# KiCad board Sofle_Chico_Panel.kicad_pcb (continued)
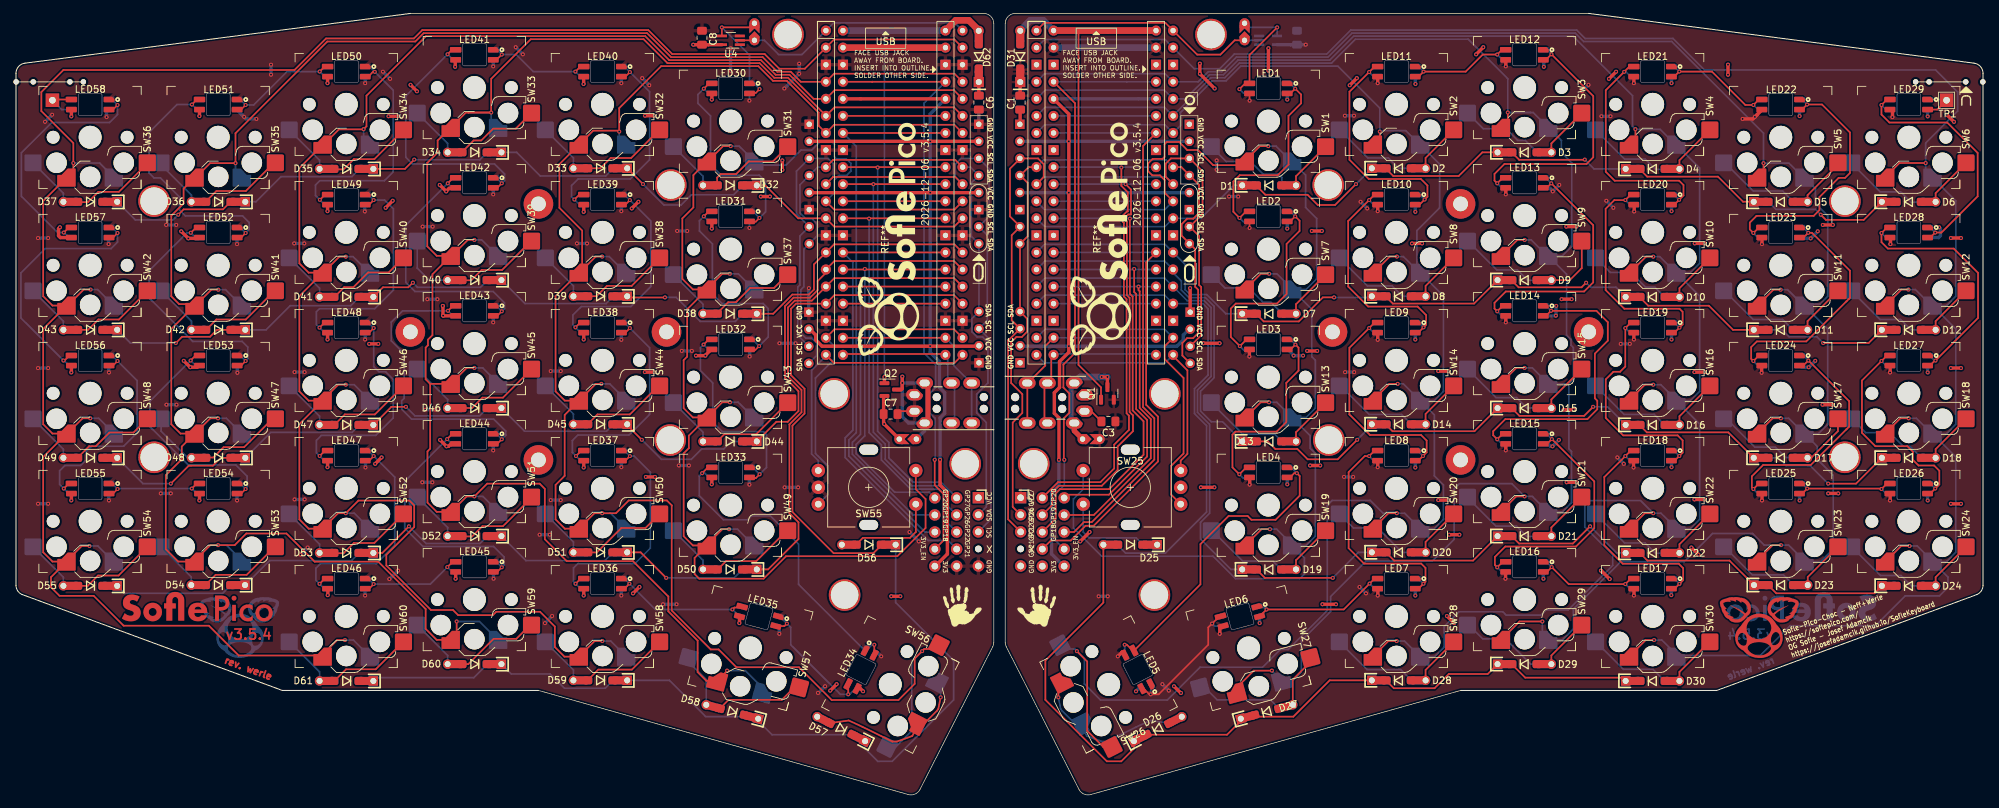
[diagram p0: board, top side]
## Routing (per net, layer and track width the routed paths; a pad name or vN(x,y) marks a point on that pad's centre or on a via; arc(x,y) is an arc through that point) (continued)
ENCA: length 98.3
  Top w0.25: U1.19 170.84,66.73 170.84,64.8 173.64,62 173.64,50.76 171.79,48.91 171.79,44.65 173.22,43.22 ; U3.19 139.51,69.24 121.72,69.24 U3.19
  Bottom w0.25: U3.19 121.7,66.73 121.7,64.8 118.9,62 118.9,50.76 120.75,48.91 120.75,44.65 SW55.A ; U1.19 170.83,69.24 153.04,69.24 U1.19
ENCB: length 79.6
  Top w0.25: U3.20 139.58,64.25 121.64,64.25 U3.20 ; U1.20 172.09,65.26 174.22,63.13 174.22,50.69 173.22,49.69 173.22,48.22
  Bottom w0.25: U1.20 152.96,64.25 170.9,64.25 U1.20 ; SW55.B 119.32,49.69 118.32,50.69 118.32,63.13 120.45,65.26 U3.20
ENCB_SW: length 13.8
  Top w0.25: SW55.S2 133.82,39.07 132.96,38.21 125.95,38.21 D56.2
GP19: length 114.6
  Top w0.25: U3.25 U3.25 ; 159.12,41.61 158.95,41.61 ; 158.95,41.61 155.96,41.61 ; 158.95,41.61 160.31,41.61 168.77,50.07 168.77,55.88 167.12,57.53 167.12,74.9 166.95,75.07 v1(166.95,75.6)
  Bottom w0.25: 136.58,41.61 133.42,41.61 124.39,50.64 124.39,52.42 125.6,53.62 v1(125.6,75.6) ; U1.25 U1.25
GP20: length 115.4
  Top w0.25: v1(166.29,78.22) 166.3,78.21 166.3,74.79 166.6,74.5 166.6,57.37 168.22,55.75 168.22,50.31 162.54,44.62 156.36,44.62 156.28,44.55 ; U3.26 U3.26
  Bottom w0.25: 136.26,44.55 135.81,45 130.67,45 124.95,50.72 124.95,52.1 126.24,53.39 126.24,78.21 v1(126.25,78.22) ; U1.26 U1.26
GP21: length 139.4
  Top w0.25: J5.4 153.92,37.81 156.88,37.81 159.06,40 160.27,40 169.85,49.57 169.85,56.25 168.08,58.01 168.08,79.21 U1.27 ; U3.27 U3.27
  Bottom w0.25: U3.27 124.46,79.21 124.46,54.23 123.31,53.09 123.31,50.16 135.66,37.81 138.62,37.81 J12.4 ; U1.27 U1.27
GP22: length 143
  Top w0.25: U3.29 U3.29 ; J5.3 154.62,41.05 154.62,44.81 155.25,45.45 162.57,45.45 167.7,50.57 167.7,55.55 166.07,57.17 166.07,74.1 165.67,74.5 v1(165.67,85.7)
  Bottom w0.25: U1.29 U1.29 ; J12.3 137.92,41.05 137.92,44.81 137.29,45.45 133.05,45.45 128.7,49.8 128.7,52.05 126.88,53.87 v1(126.88,85.7)
GP26: length 147.2
  Top w0.25: v1(165.03,90.84) 165.82,90.05 165.82,86.33 165.41,86.33 165.04,85.96 165.04,85.45 165.22,85.27 165.22,74.31 165.62,73.91 165.62,56.93 166.12,56.43 166.12,54.08 163.85,51.8 163.85,48.32 161.48,45.95 155.07,45.95 154.11,44.99 154.11,43.08 J5.2 ; U3.31 U3.31
  Bottom w0.25: v1(127.51,90.84) 127.51,53.93 129.27,52.17 129.27,49.9 133.22,45.95 137.47,45.95 138.43,44.99 138.43,43.08 J12.2 ; U1.31 U1.31
GP27: length 146.3
  Top w0.25: U3.32 U3.32 ; v1(164.4,93.32) 164.4,90.59 165.35,89.64 165.35,86.78 165.22,86.78 164.59,86.15 164.59,85.26 164.77,85.08 164.77,74.13 165.17,73.72 165.17,56.75 165.52,56.4 165.52,54.27 163.32,52.07 163.32,48.53 161.28,46.49 154.97,46.49 152.64,44.16
  Bottom w0.25: v1(128.15,93.32) 128.15,54.06 129.82,52.38 129.82,50.1 133.43,46.49 137.57,46.49 139.9,44.16 ; U1.32 U1.32
GP28: length 165.3
  Top w0.25: J6.3 157.36,39.07 158.83,40.55 160,40.55 169.3,49.85 169.3,56 167.62,57.67 167.62,96.53 U1.34 ; U3.34 U3.34
  Bottom w0.25: U1.34 U1.34 ; J11.3 135.18,39.07 123.86,50.39 123.86,52.76 124.97,53.87 124.97,96.48 U3.34
LED: length 72.4
  Top w0.25: JP4.1 109.82,112.25 107.91,112.25 ; JP2.1 181.24,112.25 179.12,110.12 175.67,110.12 U1.1 170.94,114.85 152.92,114.85 U1.1
  Bottom w0.25: 184.64,112.25 182.72,112.25 JP2.1 ; JP4.1 111.3,112.25 113.42,110.12 116.88,110.12 U3.1 121.6,114.85 139.62,114.85 U3.1
row0: length 262.4
  Top w0.25: 258.43,88.23 256.85,88.23 253.12,91.96 242.6,91.96 D4.1 ; D32.1 111.44,90.66 116.34,85.76 U3.12 121.68,84.53 139.55,84.53 U3.12 ; D1.1 185.82,89.26 192.08,89.26 193.61,87.74 196.18,87.74 v1(199.29,90.85) ; D35.1 57.84,93.11 v1(59.22,94.49) ; D3.1 223.55,94.47 233.3,94.47 v1(233.32,94.49) ; D3.1 218.08,95.58 214.57,92.06 204.83,92.06 D2.1 ; v1(24.13,86.29) 24.93,87.09 30.78,87.09 31.9,88.21 D36.1 ; v1(93.25,90.85) D33.1 ; v1(268.41,86.29) 269.19,85.52 274.8,85.52 277.49,88.21
  Bottom w0.25: v1(233.32,94.49) 234.7,93.11 D4.1 ; D32.1 106.73,89.26 100.46,89.26 98.94,87.74 96.36,87.74 v1(93.25,90.85) ; 15.05,88.21 17.74,85.52 23.36,85.52 v1(24.13,86.29) ; D34.1 74.46,95.58 77.97,92.06 87.71,92.06 D33.1 ; v1(199.29,90.85) D2.1 ; v1(268.41,86.29) 267.62,87.09 261.76,87.09 260.64,88.21 D5.1 ; D35.1 49.95,91.96 39.42,91.96 35.69,88.23 34.12,88.23 ; U1.12 153,84.53 170.87,84.53 U1.12 176.2,85.76 181.11,90.66 D1.1 ; v1(59.22,94.49) 59.24,94.47 68.99,94.47 D34.1
row1: length 262.8
  Top w0.25: v1(96.51,73.99) 96.5,73.97 91.08,73.97 ; D9.1 216.86,73.07 204.77,73.07 D8.1 ; D38.1 112.61,71.56 115.46,74.41 117.92,74.41 118.67,75.16 118.67,78.9 U3.14 121.66,81.88 139.57,81.88 U3.14 ; v1(59.02,76.17) 58.34,75.49 54.58,75.49 D41.1 ; D10.1 242.76,72.75 251.77,72.75 255.36,69.16 D11.1 ; v1(23.77,67.2) 24.7,68.13 28.85,68.13 29.88,69.16 D42.1 ; v1(233.52,76.17) 232.84,75.49 223.47,75.49 D9.1 ; v1(196.03,73.99) 194.37,73.99 190.79,70.41 185.57,70.41 D7.1 ; D12.1 275.54,67.2 v1(268.77,67.2)
  Bottom w0.25: D7.1 179.93,71.56 177.08,74.41 174.62,74.41 173.87,75.16 173.87,78.9 U1.14 170.89,81.88 152.98,81.88 U1.14 ; D10.1 237.97,75.49 234.2,75.49 v1(233.52,76.17) ; v1(196.03,73.99) 196.05,73.97 201.47,73.97 ; v1(59.02,76.17) 59.7,75.49 69.08,75.49 D40.1 ; D11.1 262.66,69.16 263.69,68.13 267.84,68.13 v1(268.77,67.2) ; D42.1 37.18,69.16 40.77,72.75 49.79,72.75 D41.1 ; D39.1 87.77,73.07 75.69,73.07 D40.1 ; D38.1 106.98,70.41 101.75,70.41 98.17,73.99 v1(96.51,73.99) ; v1(23.77,67.2) 17.01,67.2 D43.1
row2: length 303.6
  Top w0.25: v1(23.02,46.27) 25.69,48.94 29.28,48.94 30.45,50.11 D48.1 ; v1(269.52,46.27) 273.66,46.27 D18.1 ; 110.67,53.05 113.1,55.48 114.78,55.48 116.37,57.08 116.37,60.02 114.36,62.03 114.36,72.67 115.65,73.96 118.11,73.96 119.22,75.07 119.22,76.42 120.45,77.65 U3.15 121.72,79.4 139.51,79.4 U3.15 ; D15.1 223.59,56.37 233.22,56.37 v1(234.55,57.7) ; v1(199.47,52.8) 196.56,49.89 192.11,49.89 190.57,51.43 187.29,51.43 186.16,52.56 D13.1 ; 53.15,55.01 55.83,57.7 v1(57.99,57.7) ; D15.1 216.91,54.07 204.72,54.07 D14.1 ; D16.1 242.56,53.9 254.66,53.9 D17.1 ; v1(93.07,52.8) 90.9,54.97
  Bottom w0.25: v1(234.55,57.7) 236.71,57.7 239.4,55.01 ; v1(269.52,46.27) 266.85,48.94 263.26,48.94 262.09,50.11 D17.1 ; U1.15 153.04,79.4 170.83,79.4 U1.15 172.09,77.65 173.32,76.42 173.32,75.07 174.43,73.96 176.9,73.96 178.18,72.67 178.18,62.03 176.17,60.02 176.17,57.08 177.77,55.48 179.45,55.48 181.88,53.05 ; v1(93.07,52.8) 95.98,49.89 100.43,49.89 101.97,51.43 105.25,51.43 106.38,52.56 D44.1 ; v1(23.02,46.27) 18.89,46.27 D49.1 ; D45.1 87.82,54.07 75.64,54.07 D46.1 ; D47.1 49.99,53.9 37.89,53.9 D48.1 ; v1(57.99,57.7) 59.32,56.37 68.95,56.37 D46.1 ; v1(199.47,52.8) 201.64,54.97
row3: length 335.6
  Top w0.25: v1(234.1,39.92) 231.54,37.36 223.55,37.36 D21.1 ; D51.1 92.9,36.05 v1(96.7,32.25) ; D19.1 185.73,32.25 v1(195.84,32.25) ; D23.1 261.8,29.95 276.39,29.95 D24.1 ; U3.16 139.52,76.85 121.7,76.85 U3.16 118.36,73.51 115.83,73.51 114.81,72.48 114.81,62.22 116.82,60.21 116.82,56.89 115.02,55.09 115.02,41.87 116.37,40.52 116.37,38.03 111.86,33.51 D50.1 ; D53.1 54.48,35.96 v1(58.44,39.92) ; D22.1 242.64,34.82 254.84,34.82 D23.1 ; D20.1 204.97,34.82 216.71,34.82 D21.1
  Bottom w0.25: D54.1 37.71,34.82 49.91,34.82 D53.1 ; v1(96.7,32.25) 106.81,32.25 D50.1 ; D52.1 69,37.36 61,37.36 v1(58.44,39.92) ; D19.1 180.69,33.51 176.17,38.03 176.17,40.52 177.52,41.87 177.52,55.09 175.72,56.89 175.72,60.21 177.73,62.22 177.73,72.48 176.71,73.51 174.18,73.51 U1.16 170.84,76.85 153.02,76.85 U1.16 ; D22.1 238.06,35.96 v1(234.1,39.92) ; D51.1 87.57,34.82 75.84,34.82 D52.1 ; v1(195.84,32.25) 199.65,36.05 D20.1 ; D54.1 30.74,29.95 16.16,29.95 D55.1
row4: length 395.4
  Top w0.25: 184.42,11.6 189.97,11.6 195.37,17 D28.1 ; D26.1 166.26,6.82 164.38,4.95 162.24,4.95 153.1,14.09 153.1,19.95 161.72,28.57 161.72,37.18 ; 238.91,17.4 224.46,17.4 D29.1 ; 182.16,10.96 180.11,8.91 D26.1 ; D56.1 127.51,35.92 121.61,35.92 115.47,42.05 115.47,54.9 117.27,56.7 117.27,60.39 115.26,62.41 115.26,72.3 116.02,73.06 U3.17 121.72,74.32 139.51,74.32 U3.17 ; D29.1 218.88,17.95 213.09,17.95 210.97,15.82 204.92,15.82 D28.1
  Bottom w0.25: D60.1 73.66,17.95 79.45,17.95 81.57,15.82 87.62,15.82 D59.1 ; 110.38,10.96 112.44,8.91 D57.1 ; 108.12,11.6 102.57,11.6 97.17,17 D59.1 ; D25.1 166.59,38.21 159.58,38.21 158.72,39.07 158.72,43.22 ; D60.1 68.08,17.4 53.63,17.4 ; 163.77,37.18 165.03,35.92 170.94,35.92 177.07,42.05 177.07,54.9 175.27,56.7 175.27,60.39 177.28,62.41 177.28,72.3 176.53,73.06 U1.17 170.83,74.32 153.04,74.32 U1.17 ; D57.1 126.29,6.82 128.17,4.95 130.3,4.95 139.45,14.09 139.45,19.95 130.82,28.57 D56.1
RX: length 59
  Top w0.25: 150.41,61.25 150.41,55.3 ; U1.22 153.08,66.74 153.08,63.84 150.48,61.25 ; U3.22 U3.22
  Bottom w0.25: U1.22 U1.22 ; J13.4 J13.4 ; U3.22 139.47,66.74 139.47,63.84 142.06,61.25
SCL: length 252.4
  Top w0.25: U1.10 170.99,91.93 170.99,93.9 171.77,94.67 174.57,94.67 176.47,92.77 176.47,86.41 174.57,84.51 175.96,83.12 175.96,75.84 176.27,75.52 176.27,68.35 J4.2 ; J1.3 147.55,40.96 147.55,67.55 149.33,69.33 148.09,70.57 148.09,83.24 149.36,84.51 147.83,86.04 147.83,93.14 149.36,94.67 152,94.67 152.85,93.82 152.85,91.91 U1.10 ; U3.10 139.7,91.91 121.53,91.91 U3.10
  Bottom w0.25: U1.10 171.02,91.91 152.85,91.91 U1.10 ; U3.10 139.7,91.91 139.7,93.82 140.55,94.67 J8.2 144.71,93.14 144.71,86.04 J8.2 144.45,83.24 144.45,70.57 J10.2 145,67.55 145,40.96 J14.3 ; U3.10 121.55,91.93 121.55,93.9 120.77,94.67 J8.2 116.07,92.77 116.07,86.41 J8.2 116.59,83.12 116.59,75.84 116.27,75.52 116.27,68.35 J9.2
SDA: length 230.6
  Top w0.25: U3.9 121.53,94.45 139.7,94.45 U3.9 ; 149.33,81.94 149.33,71.87 150.38,70.82 150.38,68.88 149.59,68.1 148.78,68.1 148,67.31 148,61.25 149.66,59.59 149.66,56.79 148.24,55.36 148.24,42.81 J1.2 ; J4.1 173.47,65.33 173.47,67.22 174.17,67.92 175.07,67.92 175.82,68.67 175.82,75.12 175.37,75.57 175.37,81.17 173.37,83.17 173.37,84.9 174.17,85.7 175.09,85.7 175.94,86.55 175.94,90.75 173.32,93.38 U1.9 ; 149.36,81.97 150.46,83.07 150.46,91.03 149.36,92.13 150.6,93.38 U1.9
  Bottom w0.25: U3.9 141.94,93.38 J8.1 142.08,91.03 142.08,83.07 J8.1 ; J14.2 144.31,42.81 144.31,55.36 142.88,56.79 142.88,59.59 144.55,61.25 144.55,67.31 143.76,68.1 142.95,68.1 142.17,68.88 142.17,70.82 143.22,71.87 143.22,81.94 ; J9.1 119.07,65.33 119.07,67.22 118.37,67.92 117.47,67.92 116.72,68.67 116.72,75.12 117.17,75.57 117.17,81.17 J8.1 119.17,83.17 119.17,84.9 118.37,85.7 117.45,85.7 116.6,86.55 116.6,90.75 J8.1 119.22,93.38 U3.9 ; U1.9 171.02,94.45 152.85,94.45 U1.9
TX: length 46.6
  Top w0.25: 123.13,65.57 138.1,65.57 ; 152.96,60.8 152.96,55.75 ; 153.97,65.09 153.97,61.81
  Bottom w0.25: 139.58,60.8 139.58,55.75 ; 169.42,65.57 154.45,65.57 ; 138.57,65.09 138.57,61.81
VDC: length 210.7
  Top w0.25: v1(123.77,14.92) 123.77,16.45 123.94,16.61 ; 112.93,25.07 114.27,25.07 v1(114.65,25.45) ; v1(183.47,103.27) 183.45,103.29 LED1.3 ; 167.52,15.96 168.56,14.92 v1(168.77,14.92) 169.95,14.92 177.32,22.29 177.32,24.87 v1(177.89,25.45) 178.91,26.46 ; v1(183.47,84.32) 183.45,84.34 LED2.3
  Top w0.5: v1(256.79,100.55) 258.32,100.55 258.99,101.22 ; v1(63.47,72.72) 63.52,72.72 63.49,72.69 63.49,71.3 v1(63.52,71.27) 63.55,71.24 LED43.3 ; v1(8.22,100.92) 8.24,100.94 8.24,101.89 ; v1(56.75,100.95) v1(55.4,100.95) ; v1(6.52,84.42) 6.32,84.22 6.32,83.16 6.59,82.89 LED57.3 ; v1(259.62,62.77) 259.62,63.73 ; v1(53.42,49.21) v1(54.37,50.17) ; v1(92.57,88.22) v1(91.57,87.22) ; v1(84.42,67.72) 84.44,67.74 84.44,68.69 ; v1(130.17,29.51) v1(131.53,29.51) ; v1(8.22,62.82) 8.24,62.84 8.24,63.79 ; v1(46.32,48.72) 46.34,48.74 LED47.3 ; v1(279.07,100.82) 279.08,100.84 279.08,101.79 ; Q2.2 129.03,59.2 C7.1 129.03,55.23 v1(129.12,55.14) JP3.2 ; v1(113.97,94.37) v1(113.97,92.97) 114.02,92.97 ; LED31.3 103.49,84.24 v1(103.47,84.22) ; LED44.3 64.69,52.19 64.32,51.82 v1(64.02,51.82) v1(63.07,52.77) ; v1(27.27,100.97) 27.29,100.99 LED51.3 ; 278.78,82.89 278.78,81.94 v1(278.77,81.92) ; 183.48,47.09 183.48,46.14 v1(183.47,46.12) ; v1(53.88,67.07) v1(52.52,67.07) ; v1(112.13,89) v1(110.77,89) ; 258.99,101.22 259.63,101.86 259.63,101.89 ; 258.99,101.22 v1(258.62,100.85) ; v1(202.52,67.67) 202.52,68.63 ; v1(121.09,15.46) v1(122.05,16.42) ; v1(101.12,65.32) v1(102.52,65.32) 102.52,65.37 103.39,66.24 LED32.3 ; v1(259.67,81.92) 259.67,82.88 ; 65.39,33.09 65.39,32.14 v1(65.37,32.12) ; v1(202.52,48.72) 202.52,49.68 ; LED49.3 46.34,86.84 v1(46.32,86.82) ; LED50.3 46.34,105.89 v1(46.32,105.87) ; U4.5 102.98,111.6 102.98,111.6 C8.1 v1(100.72,111.6) ; 103.49,47.14 103.49,46.19 v1(103.47,46.17) ; v1(221.57,89.32) 221.57,90.28 ; 84.44,87.69 84.44,86.74 v1(84.42,86.72) ; v1(240.57,48.67) 240.57,49.63 ; v1(84.41,105.75) 84.42,105.77 84.42,106.72 ; v1(202.52,105.87) 202.52,106.83 ; 221.53,33.09 221.53,32.14 v1(221.52,32.12) ; v1(240.62,29.62) 240.63,29.64 240.63,30.59 ; LED35.3 107.6,25.55 v1(107.57,25.52) ; 46.34,68.69 46.34,67.74 v1(46.32,67.72) ; v1(8.22,43.77) 8.24,43.79 8.24,44.74 ; v1(202.52,29.62) 202.53,29.64 202.53,30.59 ; v1(84.42,29.62) 84.44,29.64 84.44,30.59 ; v1(103.47,103.42) 103.49,103.44 LED30.3 ; v1(240.62,105.87) 240.62,106.83 ; LED52.3 27.17,82.77 v1(25.62,82.77) v1(24.57,83.82) ; v1(27.27,43.77) 27.29,43.79 27.29,44.74 ; v1(259.67,43.77) 259.68,43.79 259.68,44.74 ; C1.1 149.34,106.02 ; v1(24.95,64.55) 25.9,63.6 v1(25.92,63.6) 26.94,63.6 27.09,63.75 ; v1(202.52,86.82) 202.52,87.78 ; 65.32,109.27 65.32,108.32 v1(65.31,108.3) ; v1(278.72,62.82) 278.73,62.84 278.73,63.79 ; v1(278.72,43.77) 278.73,43.79 278.73,44.74 ; v1(240.67,86.77) 240.67,87.73 ; v1(125.97,15.37) 125.58,15.77 LED34.3 ; v1(179.02,23.92) 179.03,23.94 179.03,24.99 ; v1(240.62,67.72) 240.62,68.68 ; v1(183.43,65.19) 183.43,66.14 ; C6.1 143.2,106.02 ; LED42.3 65.32,90.22 64.42,90.22 63.98,89.78 v1(63.98,89.76) v1(63.02,90.72) ; 164.84,21.21 164.5,21.21 v1(163.87,20.57) ; v1(91.77,29.94) v1(92.72,30.9) ; v1(94.9,101.02) v1(93.55,101.02) ; v1(221.57,51.22) 221.57,52.18 ; v1(46.36,29.68) 46.37,29.69 46.37,30.65 ; v1(94.88,62.87) v1(93.52,62.87) ; v1(59.63,104.66) v1(58.67,105.62) ; v1(221.57,70.27) 221.57,71.23 ; v1(54.97,87.32) v1(56.02,88.37) ; v1(95.03,47.27) v1(93.67,47.27) ; v1(221.57,108.37) 221.57,109.33 ; v1(84.42,48.67) 84.44,48.69 84.44,49.64
  Top w1: U3.39 U3.39
  Bottom w0.25: 179.61,25.07 178.27,25.07 v1(177.89,25.45) ; 168.61,16.61 168.77,16.45 v1(168.77,14.92) ; 113.64,26.46 v1(114.65,25.45) 115.23,24.87 115.23,22.29 122.59,14.92 v1(123.77,14.92) 123.98,14.92 125.02,15.96
  Bottom w0.5: v1(197.51,47.27) v1(198.87,47.27) ; v1(171.45,15.46) v1(170.49,16.42) ; v1(197.64,101.02) v1(199,101.02) ; 178.52,92.97 v1(178.57,92.97) v1(178.57,94.37) ; v1(197.66,62.87) v1(199.02,62.87) ; v1(162.37,29.51) v1(161.02,29.51) ; v1(238.66,67.07) v1(240.02,67.07) ; v1(199.97,88.22) v1(200.97,87.22) ; v1(232.91,104.66) v1(233.87,105.62) ; v1(200.78,29.94) v1(199.82,30.9) ; v1(191.82,111.6) C4.1 189.57,111.6 189.57,111.6 U2.5 ; v1(180.42,89) v1(181.77,89) ; v1(239.13,49.21) v1(238.17,50.17) ; v1(237.57,87.32) v1(236.52,88.37) ; C2.1 149.34,106.02 ; C5.1 143.2,106.02 ; v1(235.79,100.95) v1(237.14,100.95)
  Bottom w1: U1.39 U1.39
  vias: v1(228.56,89.76) v1(229.52,90.72)
Net-(D1-A): length 21.1
  Top w0.25: D1.2 190.37,92.02 SW1.2
  Bottom w0.25: SW1.2 179.97,94.22 183.57,94.22 185.45,92.34 187.74,92.34 188.27,91.81 D1.2
Net-(D2-A): length 21.3
  Top w0.25: SW2.2 209.64,94.74 D2.2
  Bottom w0.25: 208.22,93.2 205.64,93.2 204.11,94.73 201.06,94.73 196.78,99.01
Net-(D3-A): length 21.6
  Top w0.25: D3.2 228.35,96.9 SW3.2
  Bottom w0.25: 227.41,95.54 226.29,95.54 224.48,97.34 223.35,97.34 221.59,99.1 218.22,99.1 215.97,101.35
Net-(D4-A): length 21.5
  Top w0.25: SW4.2 247.4,94.4 D4.2
  Bottom w0.25: 246.41,93.04 243.83,93.04 242.29,94.57 239.24,94.57 234.97,98.85
Net-(D5-A): length 21.2
  Top w0.25: 270.97,93.72 266.45,89.2 D5.2
  Bottom w0.25: 265.46,88.21 D5.2 262.74,89.82 258.37,89.82 254.09,94.1
Net-(D6-A): length 21.5
  Top w0.25: D6.2 285.5,89.5 SW6.2
  Bottom w0.25: 272.97,93.97 277.24,89.7 280.29,89.7 281.83,88.16 284.41,88.16
Net-(D7-A): length 20.5
  Top w0.25: D7.2 190.37,72.97 SW7.2
  Bottom w0.25: 177.84,77.35 179.8,75.39 183.35,75.39 185.47,73.27 186.62,73.27 188.27,71.62 D7.2
Net-(D8-A): length 21
  Top w0.25: SW8.2 209.64,75.69 D8.2
  Bottom w0.25: 208.78,74.16 206.2,74.16 204.67,75.7 200.99,75.7 197.34,79.34
Net-(D9-A): length 23.1
  Top w0.25: D9.2 231.08,76.56 232.87,78.35 SW9.2
  Bottom w0.25: 215.97,82.35 220.24,78.07 223.29,78.07 224.83,76.54 227.41,76.54
Net-(D10-A): length 20.3
  Top w0.25: SW10.2 247.4,75.35 D10.2
  Bottom w0.25: 234.97,79.85 237.11,77.7 240.16,77.7 242.36,75.51 243.73,75.51 245.18,74.06
Net-(D11-A): length 21.5
  Top w0.25: SW11.2 266.45,70.45 D11.2
  Bottom w0.25: 254.09,74.97 258.37,70.7 262.74,70.7 264.28,69.16 265.53,69.16
Net-(D12-A): length 21.5
  Top w0.25: SW12.2 285.5,70.45 D12.2
  Bottom w0.25: 272.97,74.97 277.24,70.7 280.29,70.7 281.83,69.16 284.41,69.16
Net-(D13-A): length 20.5
  Top w0.25: D13.2 190.37,53.92 SW13.2
  Bottom w0.25: D13.2 187.21,53.62 182.46,53.62 177.77,58.31
Net-(D14-A): length 20.4
  Top w0.25: SW14.2 209.64,56.64 D14.2
  Bottom w0.25: D14.2 206.07,56.57 201.24,56.57 196.97,60.85
Net-(D15-A): length 21.5
  Top w0.25: SW15.2 228.35,58.8 D15.2
  Bottom w0.25: 227.28,57.54 224.7,57.54 223.17,59.07 220.12,59.07 215.84,63.35
Net-(D16-A): length 21.4
  Top w0.25: SW16.2 247.4,56.3 D16.2
  Bottom w0.25: 246.28,55.04 245.17,55.04 243.64,56.57 239.17,56.57 SW16.2
Net-(D17-A): length 21.3
  Top w0.25: 267,50.11 270.97,54.08 SW17.2
  Bottom w0.25: 265.78,50.16 263.2,50.16 261.67,51.7 258.62,51.7 254.34,55.97
Net-(D18-A): length 20.4
  Top w0.25: SW18.2 285.5,51.4 D18.2
  Bottom w0.25: 273.09,55.85 275.07,53.87 278.65,53.87 280.68,51.84 281.67,51.84 D18.2
Net-(D19-A): length 21.4
  Top w0.25: SW19.2 190.37,34.87 D19.2
  Bottom w0.25: 189.41,33.41 188.27,33.41 186.93,34.75 182.44,34.75 177.97,39.22
Net-(D20-A): length 21.5
  Top w0.25: SW20.2 209.64,37.59 D20.2
  Bottom w0.25: SW20.2 198.91,39.68 202.51,39.68 206.15,36.04 208.53,36.04
Net-(D21-A): length 21.5
  Top w0.25: SW21.2 228.35,39.75 D21.2
  Bottom w0.25: 215.84,44.22 220.12,39.95 223.17,39.95 224.7,38.41 227.28,38.41
Net-(D22-A): length 21.5
  Top w0.25: D22.2 247.4,37.25 SW22.2
  Bottom w0.25: 234.97,41.72 239.24,37.45 242.29,37.45 243.83,35.91 246.41,35.91
Net-(D23-A): length 20.4
  Top w0.25: SW23.2 266.48,32.38 D23.2
  Bottom w0.25: 253.97,36.97 258.24,32.7 262.86,32.7 D23.2
Net-(D24-A): length 21.5
  Top w0.25: D24.2 285.5,32.35 SW24.2
  Bottom w0.25: D24.2 281.88,31.06 280.34,32.6 277.29,32.6 SW24.2
Net-(D26-A): length 20.8
  Top w0.25: v1(155.02,14.47) 155.02,16.21
  Bottom w0.25: v1(155.02,14.47) 155.37,12.77 155.59,12.45 157.5,10.54 ; 158.76,9.66 159.24,8.72 161.52,7.89 162.2,7.89 162.2,7.89 166.65,10.07 168.69,11.02 D26.2
Net-(D27-A): length 19.8
  Top w0.25: 189.89,13.35 189.89,17.11 192.51,19.74
  Bottom w0.25: 187.86,12.81 186.57,14.1 178.64,14.1 176.79,15.95
Net-(D28-A): length 20.5
  Top w0.25: SW28.2 209.64,18.54 D28.2
  Bottom w0.25: D28.2 205.95,18.6 200.94,18.6 SW28.2
Net-(D29-A): length 21.5
  Top w0.25: SW29.2 228.35,20.7 D29.2
  Bottom w0.25: 227.53,19.41 225.28,19.41 221.51,23.18 218.14,23.18 216.09,25.22
Net-(D30-A): length 21.6
  Top w0.25: D30.2 247.4,18.25 251.87,22.72 SW30.2
  Bottom w0.25: 246.41,16.91 245.19,16.91 243.46,18.64 239.05,18.64 234.97,22.72
Net-(D32-A): length 21.1
  Top w0.25: SW31.2 112.57,94.22 108.97,94.22 107.09,92.34 104.8,92.34 104.27,91.81 D32.2
  Bottom w0.25: D32.2 102.17,92.02 SW31.2
Net-(D33-A): length 21.3
  Top w0.25: 84.32,93.2 86.9,93.2 88.44,94.73 91.49,94.73 95.76,99.01
  Bottom w0.25: D33.2 82.9,94.74 SW32.2
Net-(D34-A): length 21.6
  Top w0.25: 65.14,95.54 66.26,95.54 68.06,97.34 69.19,97.34 70.95,99.1 74.32,99.1 76.57,101.35
  Bottom w0.25: D34.2 64.2,96.9 SW33.2
Net-(D35-A): length 21.5
  Top w0.25: 46.14,93.04 48.71,93.04 50.25,94.57 53.3,94.57 57.57,98.85
  Bottom w0.25: D35.2 45.15,94.4 SW34.2
Net-(D36-A): length 21.2
  Top w0.25: 38.45,94.1 34.17,89.82 29.81,89.82 D36.2 27.09,88.21
  Bottom w0.25: 21.57,93.72 26.1,89.2 D36.2
Net-(D37-A): length 21.5
  Top w0.25: 19.57,93.97 15.3,89.7 12.25,89.7 10.71,88.16 8.14,88.16
  Bottom w0.25: D37.2 7.05,89.5 SW36.2
Net-(D38-A): length 20.5
  Top w0.25: D38.2 104.27,71.62 105.92,73.27 107.07,73.27 109.19,75.39 112.74,75.39 114.7,77.35
  Bottom w0.25: SW37.2 102.17,72.97 D38.2
Net-(D39-A): length 21
  Top w0.25: 83.76,74.16 86.34,74.16 87.87,75.7 91.55,75.7 95.2,79.34
  Bottom w0.25: D39.2 82.9,75.69 SW38.2
Net-(D40-A): length 23.1
  Top w0.25: 65.14,76.54 67.71,76.54 69.25,78.07 72.3,78.07 76.57,82.35
  Bottom w0.25: D40.2 61.46,76.56 59.67,78.35 SW39.2
Net-(D41-A): length 20.3
  Top w0.25: 57.57,79.85 55.43,77.7 52.38,77.7 50.19,75.51 48.81,75.51 47.36,74.06
  Bottom w0.25: D41.2 45.15,75.35 SW40.2
Net-(D42-A): length 21.5
  Top w0.25: 38.45,74.97 34.17,70.7 29.8,70.7 28.26,69.16 27.01,69.16
  Bottom w0.25: D42.2 26.1,70.45 SW41.2
Net-(D43-A): length 21.5
  Top w0.25: 19.57,74.97 15.3,70.7 12.25,70.7 10.71,69.16 8.14,69.16
  Bottom w0.25: SW42.2 7.05,70.45 D43.2
Net-(D44-A): length 20.5
  Top w0.25: 114.77,58.31 110.08,53.62 105.34,53.62 D44.2
  Bottom w0.25: SW43.2 102.17,53.92 D44.2
Net-(D45-A): length 20.4
  Top w0.25: 95.57,60.85 91.3,56.57 86.47,56.57 D45.2
  Bottom w0.25: SW44.2 82.9,56.64 D45.2
Net-(D46-A): length 21.5
  Top w0.25: 76.7,63.35 72.42,59.07 69.37,59.07 67.84,57.54 65.26,57.54
  Bottom w0.25: SW45.2 64.2,58.8 D46.2
Net-(D47-A): length 21.4
  Top w0.25: 46.26,55.04 47.37,55.04 48.9,56.57 53.37,56.57 SW46.2
  Bottom w0.25: SW46.2 45.15,56.3 D47.2
Net-(D48-A): length 21.3
  Top w0.25: 38.2,55.97 33.92,51.7 30.87,51.7 29.34,50.16 26.76,50.16
  Bottom w0.25: 25.54,50.11 21.57,54.08 SW47.2
Net-(D49-A): length 20.4
  Top w0.25: D49.2 10.88,51.84 11.86,51.84 13.89,53.87 17.47,53.87 19.45,55.85
  Bottom w0.25: D49.2 7.05,51.4 SW48.2
Net-(D50-A): length 21.4
  Top w0.25: 114.57,39.22 110.1,34.75 105.61,34.75 104.27,33.41 103.14,33.41
  Bottom w0.25: SW49.2 102.17,34.87 D50.2
Net-(D51-A): length 21.5
  Top w0.25: 84.01,36.04 86.39,36.04 90.03,39.68 93.63,39.68 SW50.2
  Bottom w0.25: SW50.2 82.9,37.59 D51.2
Net-(D52-A): length 21.5
  Top w0.25: 65.26,38.41 67.84,38.41 69.37,39.95 72.42,39.95 76.7,44.22
  Bottom w0.25: D52.2 64.2,39.75 SW51.2
Net-(D53-A): length 21.5
  Top w0.25: 57.57,41.72 53.3,37.45 50.25,37.45 48.71,35.91 46.14,35.91
  Bottom w0.25: D53.2 45.15,37.25 SW52.2
Net-(D54-A): length 20.4
  Top w0.25: D54.2 29.68,32.7 34.3,32.7 38.57,36.97
  Bottom w0.25: SW53.2 26.06,32.38 D54.2
Net-(D55-A): length 21.5
  Top w0.25: SW54.2 15.25,32.6 12.2,32.6 10.66,31.06 D55.2
  Bottom w0.25: SW54.2 7.05,32.35 D55.2
Net-(D57-A): length 20.8
  Top w0.25: v1(137.52,14.47) 137.17,12.77 136.95,12.45 135.04,10.54 ; D57.2 123.85,11.02 125.9,10.07 130.34,7.89 130.35,7.89 131.02,7.89 133.3,8.72 133.79,9.66
  Bottom w0.25: v1(137.52,14.47) 137.52,16.21
Net-(D58-A): length 19.8
  Top w0.25: D58.2 105.97,14.1 113.9,14.1 115.75,15.95
  Bottom w0.25: 100.03,19.74 102.66,17.11 D58.2
Net-(D59-A): length 20.5
  Top w0.25: SW58.2 91.6,18.6 86.6,18.6 D59.2
  Bottom w0.25: D59.2 82.9,18.54 SW58.2
Net-(D60-A): length 21.5
  Top w0.25: 65.01,19.41 67.26,19.41 71.03,23.18 74.4,23.18 76.45,25.22
  Bottom w0.25: SW59.2 64.2,20.7 D60.2
Net-(D61-A): length 21.6
  Top w0.25: 57.57,22.72 53.49,18.64 49.08,18.64 47.35,16.91 46.14,16.91
  Bottom w0.25: D61.2 45.15,18.25 40.67,22.72 SW60.2
Net-(JP1-A): length 21.7
  Top w0.5: Q1.3 v1(162.32,62.15) v1(161.47,62.15) ; 157.17,61.02 J2.2
  Top w0.75: JP1.1 157.4,54.13 J2.2
  Bottom w0.5: J2.2 157.4,54.13 ; 157.4,54.13 JP1.1 ; 157.4,54.13 156.87,54.65 ; 156.87,60.72 J2.2
  Bottom w0.75: 156.92,60.77 156.92,55.77 J2.2 ; 156.92,60.77 156.87,60.72 ; 156.92,60.77 J2.2
  Bottom w1: v1(162.32,62.15) 158.3,62.15 J2.2
Net-(JP3-A): length 24.9
  Top w0.5: Q2.3 131.65,60.27 131.8,60.42 131.8,61.24 v1(131.81,61.25) 131.81,62.19 v1(131.82,62.2)
  Top w0.75: J13.2 135.63,60.76 135.63,55.8 J13.2
  Bottom w0.5: JP3.1 135.13,54.13 J13.2 132.74,55.3 131.81,56.23 v1(131.81,61.25) ; v1(131.81,61.25) 131.81,61.25 J13.2 ; v1(131.81,61.25) 131.81,62.19 v1(131.82,62.2)
Net-(LED1-DOUT): length 65.1
  Top w0.25: 182.85,86.7 v1(181.97,85.81) 181.06,86.73 181.06,91.23 182,92.17 187.67,92.17 189.25,93.75 189.25,101 191.12,102.87 191.12,104.18 v1(190.25,105.05) 189.62,104.43 ; v1(102.29,105.05) 103.11,105.87 ; 109,85.26 110.01,85.26 v1(110.57,85.81)
  Bottom w0.25: v1(181.97,85.81) 182.53,85.26 183.54,85.26 ; v1(190.25,105.05) 189.43,105.87 ; 109.69,86.7 v1(110.57,85.81) 111.49,86.73 111.49,91.23 110.54,92.17 104.87,92.17 103.29,93.75 103.29,101 101.42,102.87 101.42,104.18 v1(102.29,105.05) 102.92,104.43
Net-(LED2-DOUT): length 33.1
  Top w0.25: 189.45,85.26 v1(190.25,86.05) 190.9,85.4 190.9,83.88 188.97,81.95 188.97,74.5 187.54,73.07 181.42,73.07 180.67,72.32 180.67,68.09 v1(182.02,66.74) 182.9,67.62
  Bottom w0.25: 183.59,66.18 182.58,66.18 v1(182.02,66.74) ; v1(190.25,86.05) 189.6,86.7
Net-(LED3-DOUT): length 80.2
  Top w0.25: 166.18,21.33 165.22,22.3 v1(164.89,22.3) ; v1(190.5,47.83) 190.11,47.83 189.39,47.11 ; 166.2,21.33 176.16,31.29 176.16,37.27 180.35,41.46 183.17,41.46 183.74,40.89 187.33,40.89 190.92,44.48 190.92,47.41 190.48,47.84 ; 189.5,66.18 v1(190.29,66.97) 190.75,66.5 190.75,63.09 188.92,61.26 188.92,55.44 187.5,54.01 181.37,54.01 180.92,53.56 180.92,48.69 v1(181.95,47.66) 182.83,48.55
  Bottom w0.25: 183.52,47.11 182.5,47.11 v1(181.95,47.66) ; v1(190.29,66.97) 189.63,67.62 ; v1(164.89,22.3) 164.89,20.71 ; v1(190.5,47.83) 189.78,48.55
Net-(LED7-DIN): length 34.6
  Top w0.25: 201.98,51.11 v1(201.24,50.37) 200.59,50.37 198.19,47.97 198.19,36.67 200.49,34.37 208.99,34.37 209.63,33.73 209.63,31.68 v1(209.32,31.38) 208.56,30.62
  Bottom w0.25: v1(209.32,31.38) 208.64,32.06 ; v1(201.24,50.37) 201.95,49.67
Net-(LED8-DIN): length 33.8
  Top w0.25: 208.59,49.71 v1(209.26,50.38) 209.8,50.92 209.8,52.68 208.98,53.5 201.38,53.5 198.31,56.57 198.31,66.49 v1(201.24,69.42) 201.98,70.16
  Bottom w0.25: v1(209.26,50.38) 208.49,51.15 ; v1(201.24,69.42) 201.95,68.72
Net-(LED10-DIN): length 50.8
  Top w0.25: 208.62,106.86 v1(209.35,107.59) 215.61,107.59 218.15,110.13 v1(220.29,110.13) 221.03,110.87 ; 208.71,87.77 v1(209.5,88.55) 209.92,88.97 209.92,90.63 208.94,91.61 201.18,91.61 198.32,94.47 198.32,104.6 v1(201.24,107.52) 201.98,108.26
  Bottom w0.25: 207.88,89.21 208.84,89.21 v1(209.5,88.55) ; v1(201.24,107.52) 201.95,106.82 ; v1(209.35,107.59) 208.64,108.3 ; v1(220.29,110.13) 221,109.43
Net-(LED10-DOUT): length 33.6
  Top w0.25: 201.98,89.21 v1(201.24,88.47) 198.13,85.36 198.13,75.6 201.11,72.62 208.46,72.62 209.72,71.36 209.72,69.91 v1(209.34,69.53) 208.57,68.76
  Bottom w0.25: v1(209.34,69.53) 208.67,70.2 ; v1(201.24,88.47) 201.95,87.77
Net-(LED12-DOUT): length 39.3
  Top w0.25: 221.03,91.71 v1(220.29,90.97) 219.89,91.38 219.89,92.36 221.37,93.84 233.58,93.84 234.58,94.84 234.58,103.95 v1(228.36,110.17) 227.66,109.47
  Bottom w0.25: v1(228.36,110.17) 227.62,110.91 ; v1(220.29,90.97) 221,90.27
Net-(LED13-DOUT): length 38.8
  Top w0.25: 221.03,72.66 v1(220.29,71.92) 219.89,72.33 219.89,73.18 221.57,74.87 233.21,74.87 234.57,76.23 234.57,84.72 v1(228.33,90.96) 227.68,90.31
  Bottom w0.25: v1(220.29,71.92) 221,71.22 ; v1(228.33,90.96) 227.54,91.75
Net-(LED14-DOUT): length 45.4
  Top w0.25: 227.57,71.26 v1(228.3,71.99) 235.05,71.99 236.74,70.3 236.74,67.54 234.82,65.62 234.82,58.97 235.18,58.61 235.18,57.34 233.71,55.87 221.5,55.87 219.7,54.07 219.7,53.47 v1(220.29,52.87) 221.03,53.61
  Bottom w0.25: v1(220.29,52.87) 221,52.17 ; v1(228.3,71.99) 227.59,72.7
Net-(LED15-DOUT): length 38.2
  Top w0.25: 227.73,52.21 v1(228.42,52.9) 228.42,52.89 229.22,52.1 229.22,52.1 234.73,46.6 234.73,39.63 232.01,36.91 221.5,36.91 219.95,35.36 219.95,34.17 v1(220.29,33.82) 221.03,34.56
  Bottom w0.25: v1(220.29,33.82) 221,33.12 ; v1(228.42,52.9) 227.67,53.65
Net-(LED16-DOUT): length 32.1
  Top w0.25: 227.71,33.16 v1(228.4,33.85) 230.93,31.32 v1(239.34,31.32) 240.08,32.06 ; v1(64.14,33.85) 64.89,34.6 ; v1(53.2,31.32) 52.49,30.62
  Bottom w0.25: v1(228.4,33.85) 227.65,34.6 ; 52.46,32.06 v1(53.2,31.32) 61.61,31.32 v1(64.14,33.85) 64.83,33.16 ; v1(239.34,31.32) 240.05,30.62
Net-(LED17-DIN): length 34.3
  Top w0.25: 246.7,30.66 v1(247.4,31.36) 247.95,31.91 247.95,33.69 247.29,34.35 238.96,34.35 236.22,37.09 236.22,47.25 v1(239.34,50.37) 240.08,51.11
  Bottom w0.25: v1(239.34,50.37) 240.05,49.67 ; v1(247.4,31.36) 246.66,32.1
Net-(LED17-DOUT): length 17.2
  Top w0.25: 259.13,103.36 v1(258.39,102.62) 257.2,102.62 252.23,107.59 247.39,107.59 v1(247.37,107.6) 246.63,106.86
  Bottom w0.25: v1(258.39,102.62) 259.1,101.92 ; v1(247.37,107.6) 246.68,108.3
Net-(LED18-DIN): length 34.6
  Top w0.25: 240.08,70.16 v1(239.34,69.42) 239.34,63.7 238.57,62.92 237.57,62.92 236.44,61.79 236.44,56.05 239.04,53.45 247.13,53.45 247.87,52.71 247.87,50.88 v1(247.38,50.39) 246.7,49.71
  Bottom w0.25: v1(239.34,69.42) 240.05,68.72 ; v1(247.38,50.39) 246.62,51.15
Net-(LED19-DIN): length 35
  Top w0.25: 240.08,89.21 v1(239.34,88.47) 237.72,88.47 236.42,87.17 236.42,75.08 239.2,72.3 247.41,72.3 247.87,71.84 247.87,69.96 v1(247.4,69.49) 246.67,68.76
  Bottom w0.25: v1(239.34,88.47) 240.05,87.77 ; v1(247.4,69.49) 246.69,70.2
Net-(LED20-DIN): length 36
  Top w0.25: 240.68,108.26 239.88,108.26 v1(239.18,107.55) 236.44,104.81 236.44,92.68 237.77,91.35 247.36,91.35 248,90.71 248,89.16 v1(247.35,88.51) 246.65,87.81
  Bottom w0.25: v1(239.18,107.55) 239.45,107.55 240.18,106.82 ; v1(247.35,88.51) 246.61,89.25
Net-(LED22-DOUT): length 39.1
  Top w0.25: 259.13,84.31 v1(258.39,83.57) 257.86,84.11 257.86,85.12 258.86,86.12 267.36,86.12 268.22,86.98 268.22,88.92 271.07,91.77 272.02,91.77 272.76,92.51 272.76,98.53 268.6,102.69 v1(266.38,102.69) 265.65,101.96
  Bottom w0.25: v1(258.39,83.57) 259.1,82.87 ; v1(266.38,102.69) 265.67,103.4
Net-(LED23-DOUT): length 36.6
  Top w0.25: 259.13,65.26 v1(258.39,64.52) 258.07,64.85 258.07,66.59 258.91,67.43 266.26,67.43 272.22,73.4 272.24,73.4 272.57,73.73 272.57,73.74 272.76,73.93 272.76,77.96 267.12,83.6 v1(266.55,83.6) 265.86,82.91
  Bottom w0.25: v1(266.55,83.6) 265.8,84.35 ; v1(258.39,64.52) 259.1,63.82
Net-(LED24-DOUT): length 35.9
  Top w0.25: 259.13,46.21 v1(258.39,45.47) 258.17,45.7 258.17,47.37 259.85,49.05 266.93,49.05 272.22,54.35 272.24,54.35 272.63,54.74 272.63,58.55 v1(266.57,64.6) 265.83,63.86
  Bottom w0.25: v1(258.39,45.47) 259.1,44.77 ; v1(266.57,64.6) 265.87,65.3
Net-(LED25-DOUT): length 30.3
  Top w0.25: 265.67,44.81 v1(266.4,45.54) 277.37,45.54 v1(277.44,45.47) 278.18,46.21 ; v1(15.1,45.47) 14.39,44.77 ; v1(26.14,45.54) 26.85,46.25
  Bottom w0.25: v1(266.4,45.54) 265.69,46.25 ; v1(277.44,45.47) 278.15,44.77 ; 26.87,44.81 v1(26.14,45.54) 15.17,45.54 v1(15.1,45.47) 14.36,46.21
Net-(LED26-DIN): length 33.4
  Top w0.25: 284.71,44.81 v1(285.44,45.54) 286.05,46.15 286.05,48.19 285.27,48.97 282.95,48.97 282.12,49.8 282.12,51.02 281.3,51.84 276.54,51.84 274.54,53.84 274.54,61.62 v1(277.44,64.52) 278.18,65.26
  Bottom w0.25: v1(285.44,45.54) 284.73,46.25 ; v1(277.44,64.52) 278.15,63.82
Net-(LED26-DOUT): length 13.8
  Top w0.25: 284.3,101.94 285.74,101.94 TP1.1 ; 8.38,103.44 4.86,103.44
  Bottom w0.25: 5.42,103.33 6.8,101.94 8.24,101.94 ; 284.16,103.44 287.68,103.44
Net-(LED27-DIN): length 37.6
  Top w0.25: 284.66,63.86 285.39,64.59 v1(285.48,64.59) 291.81,70.92 291.81,77.64 288.2,81.25 278.4,81.25 277.44,82.21 v1(277.44,83.57) 278.18,84.31
  Bottom w0.25: v1(285.48,64.59) 285.34,64.59 284.63,65.3 ; v1(277.44,83.57) 278.15,82.87
Net-(LED28-DIN): length 37.2
  Top w0.25: 278.18,103.36 v1(277.44,102.62) 277.44,101.2 278.63,100.01 287.23,100.01 291.75,95.49 291.75,89.03 286.36,83.64 v1(285.44,83.64) 284.71,82.91
  Bottom w0.25: v1(285.44,83.64) 284.73,84.35 ; v1(277.44,102.62) 278.15,101.92
Net-(LED31-DOUT): length 33.1
  Top w0.25: v1(102.29,86.05) 102.94,86.7 ; 108.95,66.18 109.96,66.18 v1(110.52,66.74)
  Bottom w0.25: 109.64,67.62 v1(110.52,66.74) 111.87,68.09 111.87,72.32 111.12,73.07 105,73.07 103.57,74.5 103.57,81.95 101.64,83.88 101.64,85.4 v1(102.29,86.05) 103.09,85.26
Net-(LED32-DOUT): length 32.7
  Top w0.25: 109.02,47.11 110.04,47.11 v1(110.6,47.66) ; v1(102.26,66.97) 102.91,67.62
  Bottom w0.25: 103.05,66.18 v1(102.26,66.97) 101.79,66.5 101.79,63.09 103.62,61.26 103.62,55.44 105.04,54.01 111.17,54.01 111.62,53.56 111.62,48.69 v1(110.6,47.66) 109.71,48.55
Net-(LED33-DOUT): length 47.5
  Top w0.25: v1(102.04,47.83) 102.76,48.55 ; v1(127.65,22.3) 127.65,20.71
  Bottom w0.25: 102.06,47.84 101.62,47.41 101.62,44.48 105.21,40.89 108.8,40.89 109.37,41.46 112.19,41.46 116.39,37.27 116.39,31.29 126.34,21.33 ; 103.16,47.11 102.44,47.83 v1(102.04,47.83) ; 126.36,21.33 127.32,22.3 v1(127.65,22.3)
Net-(LED36-DIN): length 34.6
  Top w0.25: v1(91.3,50.37) 90.59,49.67 ; v1(83.22,31.38) 83.9,32.06
  Bottom w0.25: 83.98,30.62 v1(83.22,31.38) 82.91,31.68 82.91,33.73 83.55,34.37 92.05,34.37 94.35,36.67 94.35,47.97 91.95,50.37 v1(91.3,50.37) 90.56,51.11
Net-(LED37-DIN): length 33.8
  Top w0.25: v1(83.28,50.38) 84.05,51.15 ; v1(91.3,69.42) 90.59,68.72
  Bottom w0.25: 83.95,49.71 v1(83.28,50.38) 82.74,50.92 82.74,52.68 83.56,53.5 91.16,53.5 94.23,56.57 94.23,66.49 v1(91.3,69.42) 90.56,70.16
Net-(LED38-DIN): length 33.6
  Top w0.25: v1(91.3,88.47) 90.59,87.77 ; v1(83.2,69.53) 83.87,70.2
  Bottom w0.25: 90.56,89.21 v1(91.3,88.47) 94.41,85.36 94.41,75.6 91.43,72.62 84.08,72.62 82.82,71.36 82.82,69.91 v1(83.2,69.53) 83.97,68.76
Net-(LED39-DIN): length 34.7
  Top w0.25: v1(83.04,88.55) 83.7,89.21 84.66,89.21 ; v1(91.3,107.52) 90.59,106.82
  Bottom w0.25: 83.83,87.77 v1(83.04,88.55) 82.62,88.97 82.62,90.63 83.6,91.61 91.36,91.61 94.22,94.47 94.22,104.6 v1(91.3,107.52) 90.56,108.26
Net-(LED41-DOUT): length 39.3
  Top w0.25: v1(72.25,90.97) 71.54,90.27 ; v1(64.18,110.17) 64.92,110.91
  Bottom w0.25: 71.51,91.71 v1(72.25,90.97) 72.65,91.38 72.65,92.36 71.17,93.84 58.96,93.84 57.96,94.84 57.96,103.95 v1(64.18,110.17) 64.88,109.47
Net-(LED42-DOUT): length 38.8
  Top w0.25: v1(72.25,71.92) 71.54,71.22 ; v1(64.21,90.96) 65,91.75
  Bottom w0.25: 71.51,72.66 v1(72.25,71.92) 72.65,72.33 72.65,73.18 70.97,74.87 59.33,74.87 57.97,76.23 57.97,84.72 v1(64.21,90.96) 64.86,90.31
Net-(LED43-DOUT): length 45.4
  Top w0.25: v1(64.24,71.99) 64.95,72.7 ; v1(72.25,52.87) 71.54,52.17
  Bottom w0.25: 71.51,53.61 v1(72.25,52.87) 72.84,53.47 72.84,54.07 71.04,55.87 58.83,55.87 57.36,57.34 57.36,58.61 57.72,58.97 57.72,65.62 55.8,67.54 55.8,70.3 57.49,71.99 v1(64.24,71.99) 64.97,71.26
Net-(LED44-DOUT): length 38.2
  Top w0.25: v1(64.12,52.9) 64.87,53.65 ; v1(72.25,33.82) 71.54,33.12
  Bottom w0.25: 71.51,34.56 v1(72.25,33.82) 72.59,34.17 72.59,35.36 71.04,36.91 60.53,36.91 57.81,39.63 57.81,46.6 63.32,52.1 63.33,52.1 64.12,52.89 v1(64.12,52.9) 64.81,52.21
Net-(LED46-DIN): length 34.3
  Top w0.25: v1(53.2,50.37) 52.49,49.67 ; v1(45.14,31.36) 45.88,32.1
  Bottom w0.25: 45.84,30.66 v1(45.14,31.36) 44.59,31.91 44.59,33.69 45.25,34.35 53.59,34.35 56.32,37.09 56.32,47.25 v1(53.2,50.37) 52.46,51.11
Net-(LED47-DIN): length 34.6
  Top w0.25: v1(53.2,69.42) 52.49,68.72 ; v1(45.16,50.39) 45.92,51.15
  Bottom w0.25: 45.84,49.71 v1(45.16,50.39) 44.67,50.88 44.67,52.71 45.41,53.45 53.5,53.45 56.1,56.05 56.1,61.79 54.97,62.92 53.97,62.92 53.2,63.7 v1(53.2,69.42) 52.46,70.16
Net-(LED48-DIN): length 35
  Top w0.25: v1(53.2,88.47) 52.49,87.77 ; v1(45.14,69.49) 45.85,70.2
  Bottom w0.25: 52.46,89.21 v1(53.2,88.47) 54.82,88.47 56.12,87.17 56.12,75.08 53.34,72.3 45.13,72.3 44.67,71.84 44.67,69.96 v1(45.14,69.49) 45.87,68.76
Net-(LED49-DIN): length 36
  Top w0.25: 52.36,106.82 53.09,107.55 v1(53.36,107.55) ; v1(45.19,88.51) 45.93,89.25
  Bottom w0.25: 45.89,87.81 v1(45.19,88.51) 44.54,89.16 44.54,90.71 45.18,91.35 54.77,91.35 56.1,92.68 56.1,104.81 v1(53.36,107.55) 52.66,108.26 51.86,108.26
Net-(LED51-DOUT): length 39.1
  Top w0.25: v1(26.16,102.69) 26.87,103.4 ; v1(34.15,83.57) 33.44,82.87
  Bottom w0.25: 33.41,84.31 v1(34.15,83.57) 34.68,84.11 34.68,85.12 33.68,86.12 25.18,86.12 24.32,86.98 24.32,88.92 21.47,91.77 20.52,91.77 19.78,92.51 19.78,98.53 23.94,102.69 v1(26.16,102.69) 26.89,101.96
Net-(LED52-DOUT): length 36.6
  Top w0.25: v1(34.15,64.52) 33.44,63.82 ; v1(25.99,83.6) 26.74,84.35
  Bottom w0.25: 33.41,65.26 v1(34.15,64.52) 34.47,64.85 34.47,66.59 33.63,67.43 26.28,67.43 20.32,73.4 20.3,73.4 19.97,73.73 19.97,73.74 19.78,73.93 19.78,77.96 25.42,83.6 v1(25.99,83.6) 26.68,82.91
Net-(LED53-DOUT): length 35.9
  Top w0.25: v1(34.15,45.47) 33.44,44.77 ; v1(25.97,64.6) 26.67,65.3
  Bottom w0.25: 33.41,46.21 v1(34.15,45.47) 34.37,45.7 34.37,47.37 32.69,49.05 25.62,49.05 20.32,54.35 20.3,54.35 19.91,54.74 19.91,58.55 v1(25.97,64.6) 26.71,63.86
Net-(LED55-DIN): length 33.4
  Top w0.25: v1(15.1,64.52) 14.39,63.82 ; v1(7.1,45.54) 7.81,46.25
  Bottom w0.25: 14.36,65.26 v1(15.1,64.52) 18,61.62 18,53.84 16,51.84 11.24,51.84 10.42,51.02 10.42,49.8 9.59,48.97 7.27,48.97 6.49,48.19 6.49,46.15 v1(7.1,45.54) 7.83,44.81
Net-(LED56-DIN): length 37.6
  Top w0.25: v1(7.06,64.59) 7.2,64.59 7.91,65.3 ; v1(15.1,83.57) 14.39,82.87
  Bottom w0.25: 7.88,63.86 7.15,64.59 v1(7.06,64.59) 0.73,70.92 0.73,77.64 4.34,81.25 14.14,81.25 15.1,82.21 v1(15.1,83.57) 14.36,84.31
Net-(LED57-DIN): length 37.2
  Top w0.25: v1(7.1,83.64) 7.81,84.35 ; v1(15.1,102.62) 14.39,101.92
  Bottom w0.25: 14.36,103.36 v1(15.1,102.62) 15.1,101.2 13.91,100.01 5.31,100.01 0.79,95.49 0.79,89.03 6.18,83.64 v1(7.1,83.64) 7.83,82.91
unconnected-(U1-ADC_VREF-Pad35): length 15.2
  Bottom w0.25: U1.35 U1.35
unconnected-(U1-GPIO18-Pad24): length 15.2
  Bottom w0.25: U1.24 U1.24
unconnected-(U1-RUN-Pad30): length 15.2
  Bottom w0.25: U1.30 U1.30
unconnected-(U3-ADC_VREF-Pad35): length 15.2
  Top w0.25: U3.35 U3.35
unconnected-(U3-GPIO18-Pad24): length 15.2
  Top w0.25: U3.24 U3.24
unconnected-(U3-RUN-Pad30): length 15.2
  Top w0.25: U3.30 U3.30

## Copper pours and planes (outline as drawn; the poured copper is in the pictures)
GND on Top: 145.82,22.04 134.05,-0.97 77.51,15.03 39.57,15.03 -0.26,29.92 -0.03,108.67 55.83,116.09 145.42,116.25 145.9,29.81
GND on Bottom: 146.72,22.04 158.49,-0.97 215.03,15.03 252.97,15.03 292.8,29.92 292.57,108.67 236.71,116.09 147.12,116.25 146.64,29.81
VDC on Top: 147.32,21.95 158.09,0.8 160.14,0.1 214.84,15.5 252.94,15.5 292.54,30.07 292.54,108.67 233.94,116.25 147.12,116.25 147.12,23.12
VDC on Bottom: 145.22,21.95 134.45,0.8 132.4,0.1 77.7,15.5 39.6,15.5 0,30.07 0,108.67 58.6,116.25 145.42,116.25 145.42,23.12

## Text on the board
Bottom: rev. werle | ${REVISION}
B.Silkscreen: Sofle-Pico-Choc - Neff+Werle / https://soflepico.com/ / OG Sofle - Josef Adamcik / https://josefadamcik.github.io/SofleKeyboard | GP21 | 3V3_EN | GP27 | GP22 | GP26 | GP20 | GP19 | GP18 | 3V3 | FACE USB JACK / AWAY FROM BOARD. / INSERT INTO OUTLINE. / SOLDER OTHER SIDE. | ${CURRENT_DATE} ${REVISION}
User.Eco1: s6 | s18 | s24 | s12 | s17 | s23 | s5 | s11 | s10 | s4 | s22 | s30 | s16 | s29 | s9 | s3 | s15 | s21 | s8 | s2 | s14 | s20 | s28 | s1 | s7 | s13 | s19 | s27 | s26
Top: rev. werle | ${REVISION}
F.Silkscreen: Sofle-Pico-Choc - Neff+Werle / https://soflepico.com/ / OG Sofle - Josef Adamcik / https://josefadamcik.github.io/SofleKeyboard | GP27 | GP26 | GP22 | GP21 | GP18 | 3V3 | GP20 | GP19 | 3V3_EN | FACE USB JACK / AWAY FROM BOARD. / INSERT INTO OUTLINE. / SOLDER OTHER SIDE. | ${CURRENT_DATE} ${REVISION}
